# Altium PCB PCB1.PcbDoc
Units mm, origin at the board's own origin, x right, y up, seen from the top; angles counter-clockwise.
Board outline 100.25 x 70.25 mm, 2 copper layers (Top Layer, Bottom Layer); 14 components, 15 nets, 86 pads, 4 vias.
Unrouted connection lines stored in the file: 4.
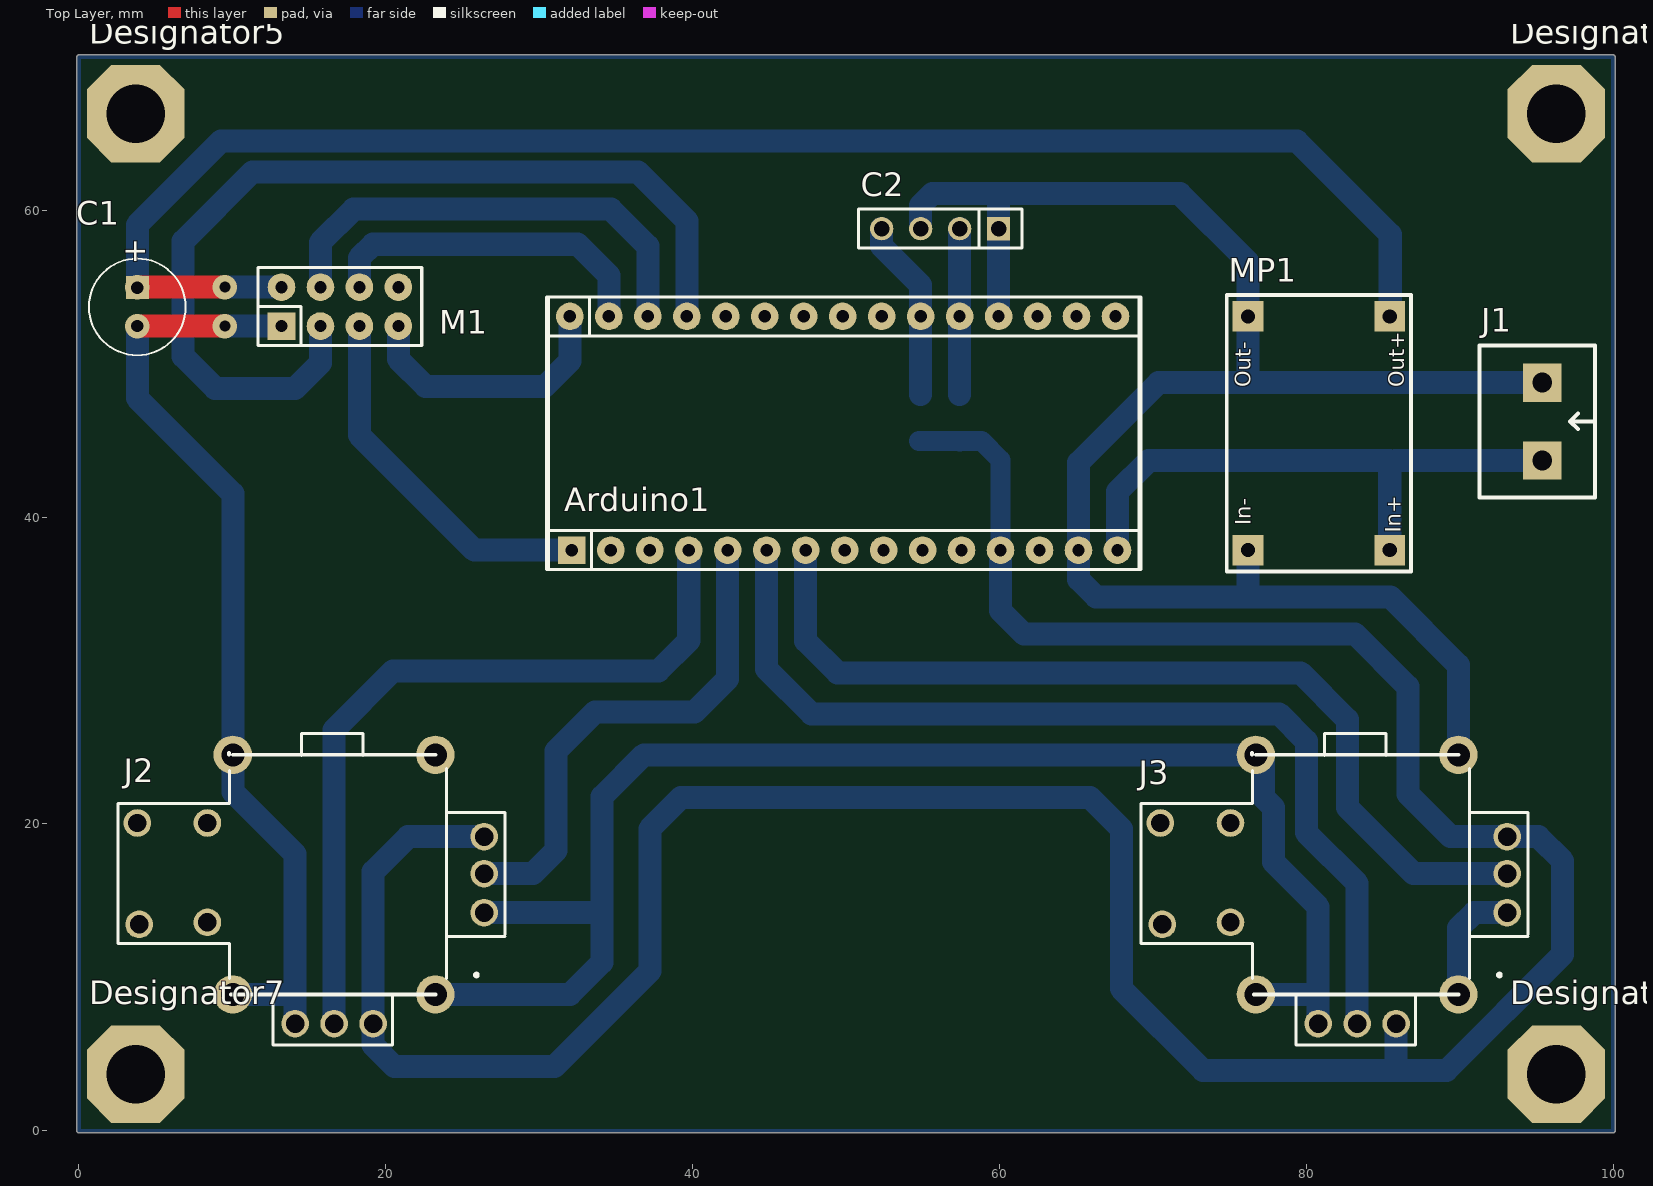
[diagram p0: Top Layer view]
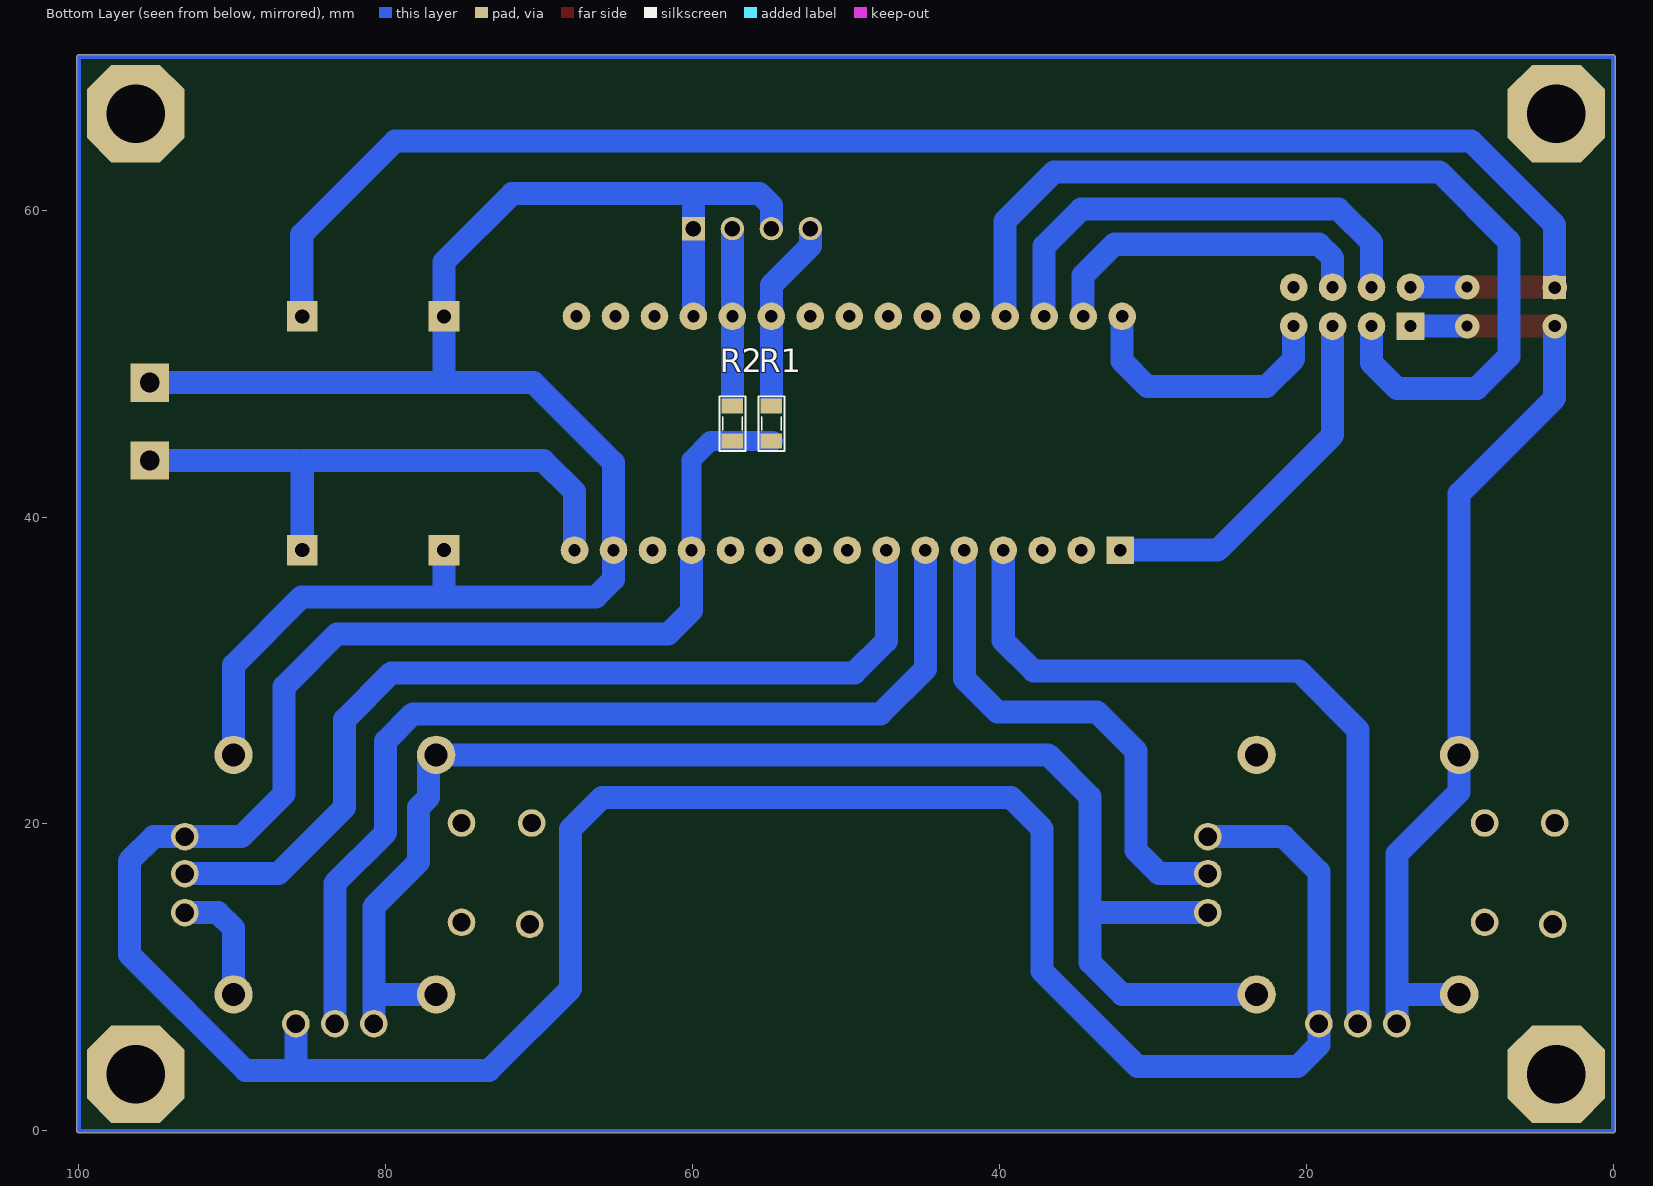
[diagram p1: Bottom Layer view, seen from below]

## Layer stack, top to bottom
Top Solder: solder mask 0.0102, Solder Resist, Dk 3.5
Top Layer: signal copper 0.0356
Dielectric 1: dielectric 0.32, FR-4, Dk 4.8
Bottom Layer: signal copper 0.0356
Bottom Solder: solder mask 0.0102, Solder Resist, Dk 3.5

## Board outline
0,-0.127 cw(c0,0) -0.127,0 -0.127,70 cw(c0,70) 0,70.127 100,70.127 cw(c100,70) 100.127,70 100.127,0 cw(c100,0) 99.975,-0.125 99.974,-0.125 cw(c99.949,0) 99.949,-0.127

## Design rules (kind name [scope] priority, off if disabled: settings)
Clearance [All] p1: gap=0.5 ignorepadtopadclearanceinfootprint=TRUE except(0.7: Arc-Fill Arc-Poly Arc-Region Track-Fill Track-Poly Track-Region SMDPad-Fill SMDPad-Poly SMDPad-Region THPad-Fill THPad-Poly THPad-Region Via-Fill Via-Poly Via-Region Fill-Fill Fill-Poly Fill-Region Poly-Poly Poly-Region Region-Region)
PolygonConnect [All] p1: connectstyle=Relief reliefconductorwidth=0.254 reliefentries=4 polygonreliefangle="90 Angle" airgapwidth=0.254
RoomDefinition tx [InComponentClass('tx')] p1: confinementstyle=ConfineIn formatcopy=TRUE lockcomponents=FALSE outline -33.655,-40.894 17.145,-40.894 17.145,-15.494 -33.655,-15.494
RoutingVias [All] p1: holewidth=0.711 width=1.27 viastyle="Through Hole" minholewidth=0.711 minwidth=1.27 maxholewidth=0.711 maxwidth=1.27
SolderMaskExpansion [All] p1: expansion=0.102
Width [All] p1: maxlimit=3 minlimit=1 preferedwidth=1.5
30 further rules are at their usual default settings.

## Classes and differential pairs
component class tx: Arduino1 C1 C2 J1 J2 J3 M1 MP1 R1 R2

## Components (designator, comment, footprint, x,y, rotation, side; value= is the part's Value field where it differs from the comment)
Arduino1 "Arduino Nano" "Arduino Nano" 50.038,44.704 r270 top value="Cau 1A"
C1 "CN-ALU-DIP" CA-ALU-6.3 3.81,53.701 r270 top value=104
C2 "JP4" JP4-C1T 59.944,58.801 r180 top
Designator5 "Comment" VIT 3.7,66.3 r0 top
Designator6 "Comment" VIT 96.3,3.7 r0 top
Designator7 "Comment" VIT 3.7,3.7 r0 top
Designator8 "Comment" VIT 96.3,66.3 r0 top
J1 "KF2" KF2-5.08 95.377,46.228 r270 top
J2 "RKJXV1224005" RKJXV1224005 16.637,16.51 r90 top
J3 "RKJXV1224005" RKJXV1224005 83.312,16.51 r90 top
M1 "NRF24L01" NRF24L01 17.018,53.721 r0 top
MP1 "MP2307 DC-DC Switching Buck Step-Down Module" Mini360 86.888,36.342 r90 top
R1 "Res" RES-SMD-0805 54.864,46.101 r90 bottom
R2 "Res" RES-SMD-0805 57.404,46.101 r90 bottom

## Footprints (in the part's own frame and the unit in brackets; to place one, negate y for a bottom-side part, rotate by r counter-clockwise, add the part's x,y. Pads: shape width x height; smd on the part's side, far side on the other; paste and mask are expansions set on the pad)
"Arduino Nano" [mm]
  round 1.8 hole 0.8: 3V3(6.858,-15.367) 5V(6.858,10.033) A0(6.858,-10.287) A1(6.858,-7.747) A2(6.858,-5.207) A3(6.858,-2.667) A4(6.858,-0.127) A5(6.858,2.413) A6(6.858,4.953) A7(6.858,7.493) D2(-8.382,7.366) D3(-8.382,4.826) D4(-8.382,2.286) D5(-8.382,-0.254) D6(-8.382,-2.794) D7(-8.382,-5.334) D8(-8.382,-7.874) D9(-8.382,-10.414) D10(-8.382,-12.954) D11(-8.382,-15.494) D12(-8.382,-18.034) GND(-8.382,9.906) GND(6.858,15.113) REF(6.858,-12.827) RST(-8.382,12.446) RST(6.858,12.573) RX0(-8.382,14.986) TX1(-8.382,17.526) VIN(6.858,17.653)
  rect 1.8x1.8 hole 0.8: D13(6.858,-17.907)
  silkscreen extent -9.65,-19.55 8.13,19.18, body extent -9.65,-23.48 8.14,21.44, height 21.18
CA-ALU-6.3 [mm] "Polarized capacitors, Aluminum Electrolytic Capacitors, 2-Leads, Body 6.3x15x2.5x0.5"
  rect 1.5x1.5 hole 0.8: 1(-1.25,0)
  round 1.5 hole 0.8: 2(1.25,0)
  silkscreen extent -3.15,-3.15 3.15,3.15, body extent -3.12,-3.15 3.18,3.15, height 11
JP4-C1T [mm] "4 row, straight, gold plating"
  rect 1.52x1.52 hole 1.02: 1(0,0)
  round 1.52 hole 1.02: 2(2.54,0) 3(5.08,0) 4(7.62,0)
  silkscreen extent -1.52,-1.27 9.14,1.27, body extent -1.52,-1.25 9.14,1.25, height 8.51
KF2-5.08 [mm]
  rect 2.5x2.5 hole 1.3: 1(-2.54,0) 2(2.54,0)
  silkscreen extent -4.95,-4.08 4.95,3.43, body extent -5,-4.07 5,3.43, height 10
Mini360 [mm]
  rect 2.002x2.002 hole 0.914: 1(1.506,10.688) 2(1.506,1.45) 3(16.744,1.45) 4(16.744,10.688)
  silkscreen extent 0.12,0.07 18.12,12.07
NRF24L01 [mm]
  rect 1.8x1.8 hole 0.8: 1(-3.81,-1.27)
  round 1.8 hole 0.8: 2(-1.27,-1.27) 3(1.27,-1.27) 4(3.81,-1.27) 5(3.81,1.27) 6(1.27,1.27) 7(-1.27,1.27) 8(-3.81,1.27)
  silkscreen extent -5.33,-2.54 5.33,2.54, body extent -5.85,-2.79 9.15,26.21, height 15.4
RES-SMD-0805 [mil]
  rect 39.37x55 smd: 1(-45,0) 2(45,0)
  silkscreen extent -70,-34 70,33, body extent -39,-25 39,25, height 31
RKJXV1224005 [mm]
  round 1.8 hole 1.2: 1(3.556,8.255) 2(3.556,12.827) 3(-2.921,8.255) 4(-3.048,12.7) 5(-9.525,2.54) 6(-9.525,0) 7(-9.525,-2.54) 8(-2.286,-9.779) 9(0.254,-9.779) 10(2.667,-9.779)
  round 2.5 hole 1.5: 11(8.001,-6.604) 12(-7.62,-6.604) 13(8.001,6.604) 14(-7.62,6.604)
  silkscreen extent -10.92,-11.14 9.4,14.1, body extent -12.84,-12.99 13.46,16.04, height 29.94
VIT [mm] "VIT"
  oct 6.35x6.35 hole 3.81: VIT1(0,0)

## Part data
Arduino1: "Arduino NANO", ="Cau 5A"
C1: "Capacitor (Semiconductor SIM Model)", LatestRevisionDate=17-Jul-2002, LatestRevisionNote="Re-released for DXP Platform.", PackageReference=C1206, Publisher="Altium Limited"
C2: "WR-PHD 2.54 mm Angled Socket Header", Manufacturer="Würth Elektronik eiSos GmbH", partNo=613004143121, ComponentLink1 Description=Manufacturer, ComponentLink1URL=http://www.we-online.com, ComponentLink2 Description=Datasheet, ComponentLink2URL=http://katalog.we-online.de/em/datasheet/6130xx143121.pdf, Created by="Karrer Zheng", Created Date="29 March 2013", NoPins=04
J1: Manufacturer="Würth Elektronik eiSos GmbH", partNo=691103110002, ComponentLink1 Description=Manufacturer, ComponentLink1URL=http://www.we-online.com, ComponentLink2 Description=Datasheet, ComponentLink2URL=http://katalog.we-online.de/em/datasheet/6911031100xx.pdf, Created by="Karrer Zheng", Created Date="29 October 2013", NoPins=2
J2 J3: "Joystick", Manufacturer_Name=ALPS, Mouser Part Number=688-RKJXV1224005, RS Part Number=1239578, Datasheet Link=http://www.alps.com/prod/info/E/HTML/MultiControl/Potentiometer/RKJXK/RKJXV1224005.html, Manufacturer_Part_Number=RKJXV1224005, Mouser Price/Stock=https://www.mouser.com/Search/Refine.aspx?Keyword=688-RKJXV1224005, RS Price/Stock=http://uk.rs-online.com/web/p/products/1239578
MP1: library part "MP2307 Module"
R1 R2: library part Res-SMD, "Resistor", Manufacturer="Generic Components", Class=Passive, Published=08/06/2000, Publisher="Altium Hobart Technology Centre"

## Via types
v1: diameter 1.6, hole 0.711, Top Layer to Bottom Layer, 4 vias

## Nets (pads, with @x,y where several pads share a name; then routed paths per layer and width w, separated by ;. In a path a pad name is that pad's centre, name@x,y a point inside that pad or via, vN(x,y) a via of type N, cw(c..) or ccw(c..) an arc to the next point about the centre after c; other vN are vias at no path point)
+5: Arduino1.5V J2.7 J2.10 J3.7 J3.10 R1.1 R2.1 | length 199.2
  Bottom Layer w1.3: R1.1@54.764,44.95 57.304,44.95 57.394,44.924 57.416,44.936 R2.1@57.455,44.958 ; R2.1 R2.1@57.455,44.958 ; Arduino1.5V 60.071,43.729 58.842,44.958 R2.1@57.455,44.958
  Bottom Layer w1.5: J2.10 21.463,19.177 19.177,16.891 J2.7 19.177,5.588 20.574,4.191 30.988,4.191 37.211,10.414 37.211,19.685 39.243,21.717 65.913,21.717 67.945,19.685 67.945,9.271 73.279,3.937 85.852,3.937 ; Arduino1.5V 60.071,33.909 61.595,32.385 83.185,32.385 86.614,28.956 86.614,21.971 89.408,19.177 J3.10 95.123,19.177 96.7,17.6 96.7,11.5 89.137,3.937 85.852,3.937 ; J3.7 85.852,3.937
A0: Arduino1.A0 J2.6 | length 50.6
  Bottom Layer w1.5: J2.6 16.637,26.137 20.472,29.972 37.772,29.972 39.751,31.951 Arduino1.A0
A1: Arduino1.A1 J2.9 | length 33.3
  Bottom Layer w1.5: J2.9 29.591,16.764 31.115,18.288 31.115,24.765 33.655,27.305 40.132,27.305 42.291,29.464 Arduino1.A1
A2: Arduino1.A2 J3.6 | length 64.7
  Bottom Layer w1.5: Arduino1.A2 44.831,30.099 47.752,27.178 78.232,27.178 80.01,25.4 80.01,19.431 83.312,16.129 J3.6
A3: Arduino1.A3 J3.9 | length 61.3
  Bottom Layer w1.5: Arduino1.A3 47.371,31.929 49.455,29.845 79.629,29.845 82.677,26.797 82.677,21.082 86.995,16.764 J3.9
CE: Arduino1.D9 M1.2 | length 62.7
  Bottom Layer w1.5: M1.2 15.748,50.038 14.097,48.387 8.89,48.387 6.8,50.477 6.8,57.981 11.319,62.5 36.433,62.5 39.624,59.309 Arduino1.D9
CLK: Arduino1.D13 M1.3 | length 24.1
  Bottom Layer w1.5: M1.3 18.288,45.339 25.781,37.846 Arduino1.D13
CSN: Arduino1.D10 M1.7 | length 30.7
  Bottom Layer w1.5: M1.7 15.748,57.912 17.907,60.071 34.671,60.071 37.084,57.658 Arduino1.D10
GND: Arduino1.GND C1.2 C2.1 C2.3 J1.1 J2.5 J2.8 J2.11 J2.12 J2.13 J2.14 J3.5 J3.8 J3.11 J3.12 J3.13 J3.14 M1.1 MP1.1 MP1.4 | length 284.8
  Top Layer w1.5: v1(3.81,52.451) v1(9.525,52.451)
  Bottom Layer w1.5: v1(3.81,52.451) 3.81,47.752 10.033,41.529 J2.13 10.033,22.098 14.097,18.034 14.097,8.89 ; v1(9.525,52.451) M1.1 ; J2.14 14.097,8.89 ; J2.5 14.097,8.89 ; J2.12 32.004,8.89 34.099,10.986 34.099,14.224 ; J2.8 34.099,14.224 ; C2.3 54.864,60.325 55.626,61.087 71.755,61.087 76.2,56.642 MP1.4 76.2,48.768 ; Arduino1.GND@59.944,53.086 C2.1 59.944,60.325 ; MP1.1 76.2,34.798 ; J3.14 80.772,8.89 ; J3.5 80.772,8.89 ; J3.12 89.916,13.208 90.932,14.224 J3.8 ; J3.11 89.916,30.353 85.471,34.798 76.2,34.798 ; J1.1@95.758,48.768 J1.1 76.2,48.768 ; 34.099,14.224 34.099,21.78 36.83,24.511 J3.13 77.2,24.019 77.2,21.733 77.851,21.082 77.851,17.526 80.772,14.605 80.772,8.89 ; 76.2,34.798 66.294,34.798 65.151,35.941 65.151,37.846 65.151,43.551 70.368,48.768 76.2,48.768
MISO: Arduino1.D12 M1.4 | length 17.7
  Bottom Layer w1.5: M1.4 20.828,50.292 22.606,48.514 30.353,48.514 32.004,50.165 Arduino1.D12
MOSI: Arduino1.D11 M1.6 | length 22
  Bottom Layer w1.5: M1.6 18.288,56.896 19.177,57.785 32.512,57.785 34.544,55.753 Arduino1.D11
NetArduino1_D2: Arduino1.D2 C2.2 R2.2 | length 10.8
  Bottom Layer w1.5: 57.404,48.006 Arduino1.D2 C2.2
NetArduino1_D3: Arduino1.D3 C2.4 R1.2 | length 11.8
  Bottom Layer w1.5: C2.4 52.324,57.658 54.864,55.118 Arduino1.D3 54.864,48.006
NetC1_1: C1.1 M1.8 MP1.3 | length 105.2
  Top Layer w1.5: v1(3.81,54.991) v1(9.525,54.991)
  Bottom Layer w1.5: v1(3.81,54.991) 3.81,59.055 9.255,64.5 79.391,64.5 85.471,58.42 MP1.3@85.471,53.084 ; v1(9.525,54.991) M1.8
VCC: Arduino1.VIN J1.2 MP1.2 | length 38.3
  Bottom Layer w1.5: Arduino1.VIN 67.691,41.656 69.723,43.688 85.438,43.688 85.438,43.307 ; MP1.2 85.438,43.307 ; J1.2 85.819,43.688 85.438,43.307
pads on no net: Arduino1.3V3 Arduino1.A4 Arduino1.A5 Arduino1.A6 Arduino1.A7 Arduino1.D4 Arduino1.D5 Arduino1.D6 Arduino1.D7 Arduino1.D8 Arduino1.REF Arduino1.RST Arduino1.RX0 Arduino1.TX1 Designator5.VIT1 Designator6.VIT1 Designator7.VIT1 Designator8.VIT1 J2.1 J2.2 J2.3 J2.4 J3.1 J3.2 J3.3 J3.4 M1.5
copper on no net: | length 339.9
  Bottom Layer w0.254: 99.949,0 0,0 0,70 100,70 100,0

## Text inside footprints (layer, text, board x,y; h text height)
C1: Top Overlay "+" at 3.073,58.176 h1.5 r270
MP1: Top Overlay "Out-" at 76.387,48.467 h1 r90; Top Overlay "Out+" at 86.388,48.467 h1 r90; Top Overlay "In+" at 86.16,38.966 h1 r90; Top Overlay "In-" at 76.387,39.467 h1 r90